# KiCad board pedalboard-hw.kicad_pcb (continued)
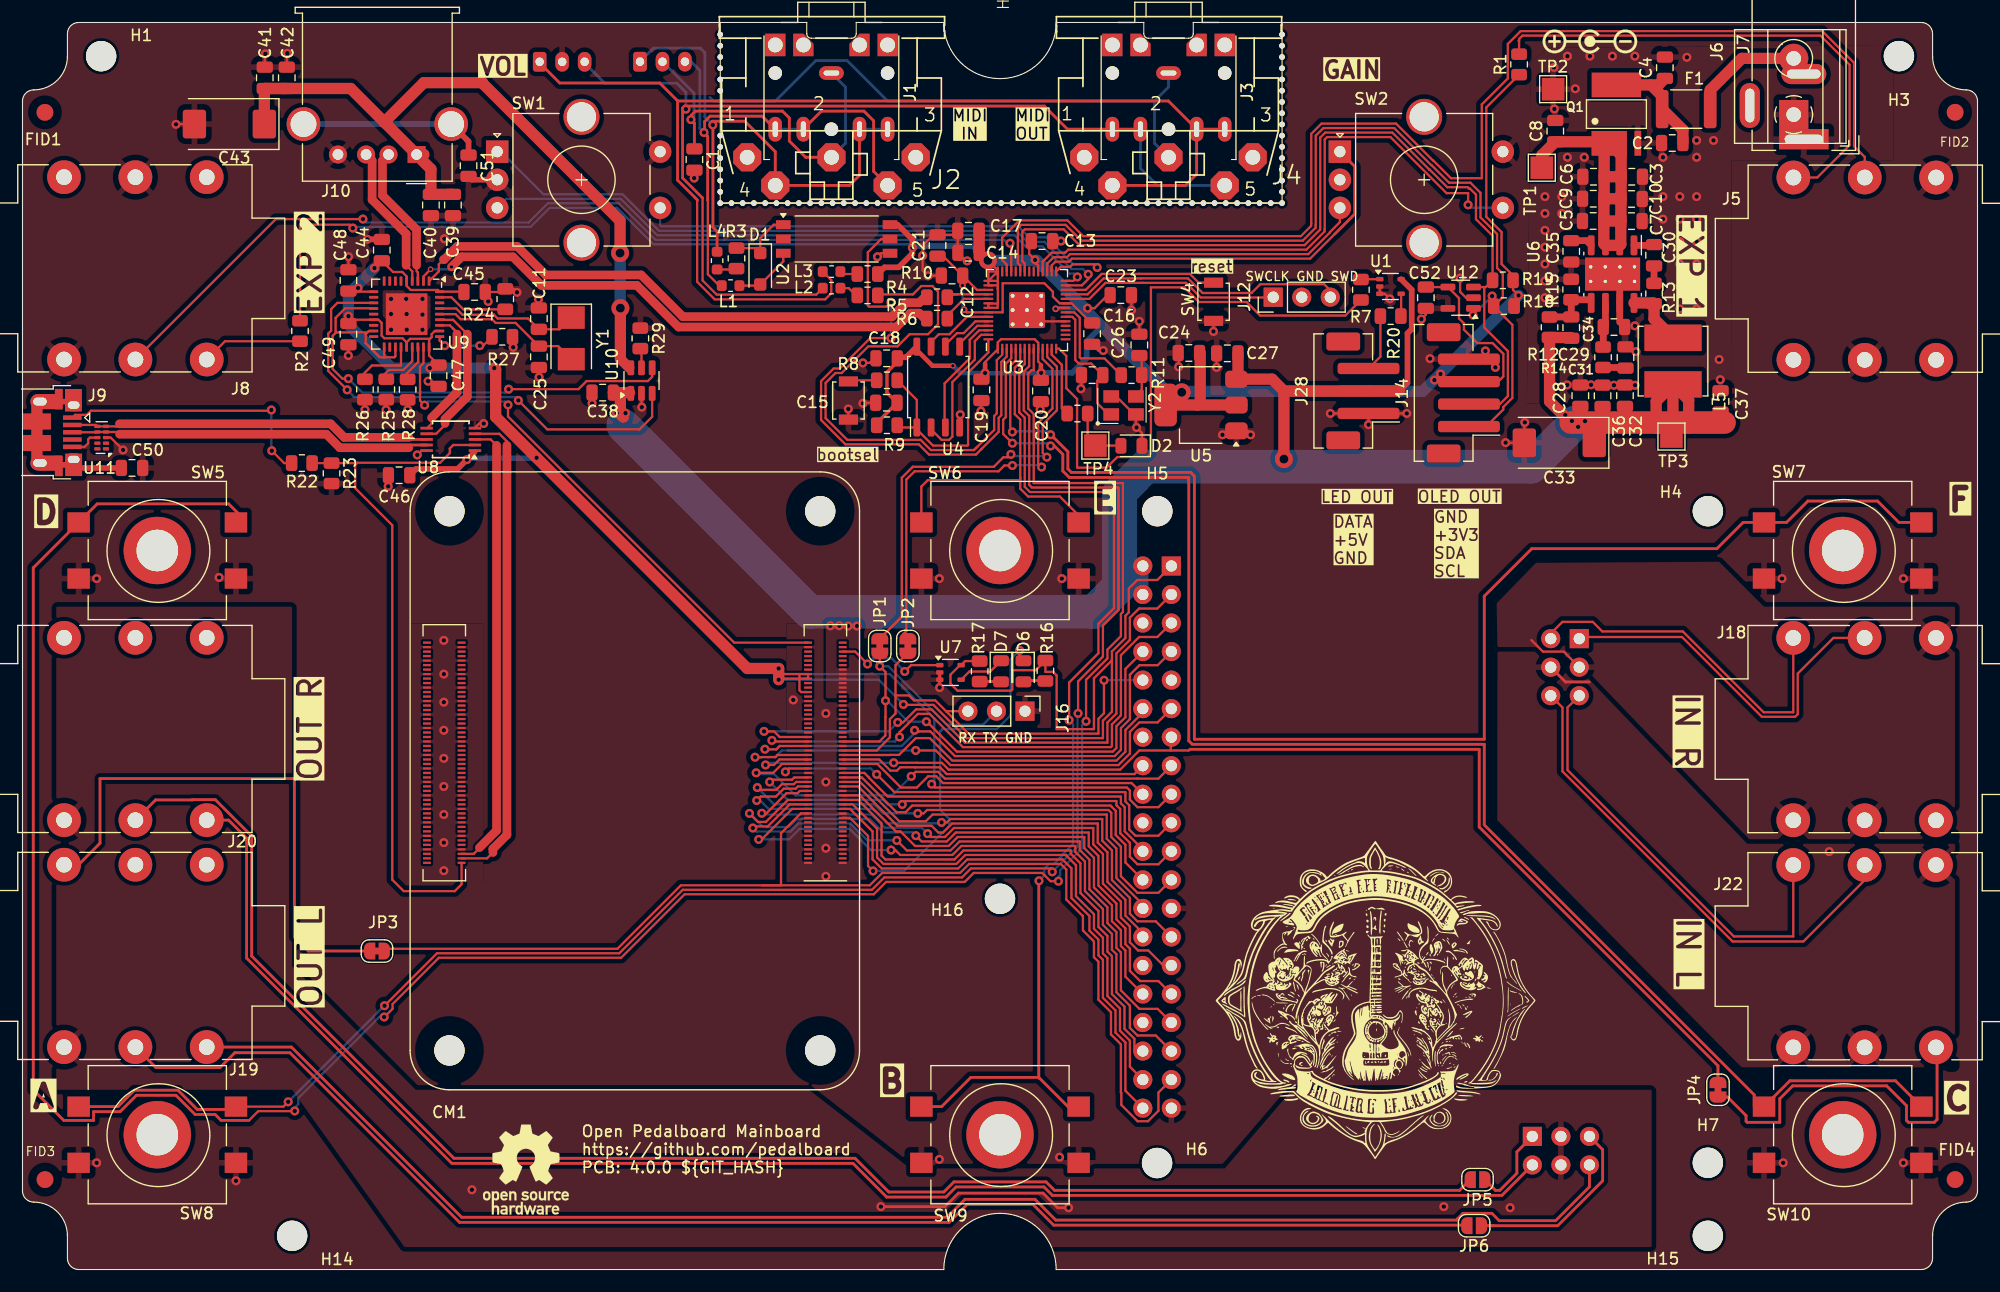
[diagram p0: board, top side]
## Routing (per net, layer and track width the routed paths; a pad name or vN(x,y) marks a point on that pad's centre or on a via; arc(x,y) is an arc through that point) (continued)
/Audio/audio_in_stereo: length 108.2
  Top w0.2: 102.2,46.2 99.4,46.2 97.7,44.5 82.42,44.5 81.82,45.1 79.61,45.1 79.6,45.11 v1(77.54,45.11) ; 102.2,46.2 103.8,46.2 103.9,46.3 ; 102.2,46.2 102.2,47.33 ; v1(66.13,44.91) 66.88,44.91 67.37,45.4 CM1.48
  Top w0.25: JP4.2 150.9,18.14 129.65,39.39 129.65,46.3 103.9,46.3
  Bottom w0.2: v1(66.13,44.91) 66.32,45.1 77.53,45.1 v1(77.54,45.11)
/Audio/audio_out_stereo: length 103.8
  Top w0.2: 65.87,34.2 75.41,34.2 76.51,35.3 83.45,35.3 84.25,36.1 92.4,36.1 92.9,35.6 92.9,32.93 94.35,31.48 94.38,31.48 94.38,30.18 95.36,29.2 95.36,27.8 95.76,27.4 95.76,24.02 96.88,22.9 96.88,20.93 97.76,20.05 97.76,15.75 97.8,15.71 97.8,14.65 99.25,13.2 100.17,13.2 101.1,14.13 101.1,15.75 J27.37 ; 65.87,34.2 58.6,34.2 52.95,28.55 32.4,28.55 ; 65.87,34.2 67.51,34.2 67.51,38.84 69.27,40.6 CM1.24
/Audio/audio_pcm_clk: length 31.1
  Top w0.2: 99.71,49.58 98.16,48.03 98.16,46.09 97.37,45.3 82.75,45.3 80.75,47.3 79.51,47.3 78.02,45.81 77.25,45.81 77.24,45.8 CM1.49
/Audio/audio_pcm_din: length 46.7
  Top w0.2: J27.38 98.56,18.05 98.56,20.38 97.68,21.26 97.68,23.23 96.56,24.35 96.56,27.73 96.16,28.13 96.16,29.53 95.36,30.33 95.36,31.63 93.76,33.23 93.76,35.99 92.9,36.85 92.9,36.9 83.92,36.9 83.12,36.1 76.63,36.1 76.06,36.68 76.06,39.24 73.9,41.4 CM1.27
/Audio/audio_pcm_dout: length 48.6
  Top w0.2: J27.40 98.16,15.91 98.16,20.21 97.28,21.09 97.28,23.07 96.16,24.19 96.16,27.57 95.76,27.97 95.76,29.37 94.96,30.17 94.96,31.47 93.36,33.07 93.36,35.71 92.57,36.5 84.08,36.5 83.28,35.7 76.47,35.7 75.66,36.51 75.66,38.99 73.65,41 CM1.25
/Audio/audio_pcm_fs: length 58.1
  Top w0.2: v1(77.3,37.34) 77.68,37.34 78.12,36.9 82.76,36.9 83.56,37.7 93.7,37.7 93.7,37.18 94.56,36.32 94.56,33.68 96.16,32.08 96.16,30.67 96.96,29.87 96.96,28.47 97.36,28.07 97.36,24.68 98.56,23.48 98.56,21.51 99.23,20.83 100.86,20.83 J27.35 ; CM1.26 68.5,41 65.79,38.29 v1(65.53,38.29)
  Bottom w0.2: v1(77.3,37.34) 75.5,37.34 73.62,39.22 69.15,39.22 68.22,38.29 v1(65.53,38.29)
/Audio/CM4_3V: length 236.2
  Top w0.2: v1(29.87,87.36) 29.28,87.36 C48.1 29.06,87.04 U9.10 ; J27.17 101.1,41.15 99.23,41.15 98.56,41.83 98.56,42.64 98.3,42.9 81.22,42.9 v1(80.92,43.2) ; J27.1 101,61.37 99.23,61.37 98.46,60.6 98.46,58.49 98.16,58.19 98.16,56.21 96.96,55.01 96.96,54.21 ; v1(31.33,89.13) C44.1 32.98,88.79 33.8,88.79 34.19,88.4 U9.5 34.19,87.55 34.55,87.19 36.98,87.19 U9.36 39.26,87.04 C45.1 ; U9.23 34.19,82.53 ; 34.19,82.53 33.83,82.89 32.2,82.89 31.97,83.13 31.97,84.25 31.68,84.54 U9.15 29.33,84.54 v1(29.01,84.86) ; 34.19,82.53 34.51,82.84 36.27,82.84 ; v1(78.4,50.3) 78.44,50.26 81.07,50.26 84.03,47.3 96.16,47.3 96.16,48.85 96.96,49.65 96.96,54.21 ; 36.27,82.84 36.19,82.76 U9.27 36.19,81.35 C47.1 36.76,80.24 v1(36.25,80.24) ; 36.27,82.84 36.41,82.98 36.41,83.25 36.7,83.54 U9.29 ; 69.15,52.6 69.15,51.55 69.3,51.4 CM1.78 ; 69.15,52.6 69.15,53 ; 69.15,52.6 67.75,52.6 ; 69.15,52.6 CM1.84 CM1.86 69.15,53 ; U7.5 83.9,54.16 R17.2 ; 83.45,53.81 82.59,52.95 82.59,52.15 83.22,51.52 87.99,51.52 88.09,51.62 88.09,53.36 88.1,53.35 90.18,53.35 R16.2 91.04,53.2 91.72,53.2 92.04,52.88 92.04,48.1 95.36,48.1 95.36,52.63 96.94,54.21 96.96,54.21 ; 67.45,53 67.3,53.15 v1(67.3,53.5) ; 67.45,53 69.15,53 ; 67.45,53 67.35,53 67.75,52.6 ; 67.75,52.6 67.4,52.6 v1(67.3,52.5)
  Top w0.5: 40.23,72.77 38.73,71.26 35.03,71.26 C46.1
  Top w1: v1(41.99,80.24) 42.11,80.12 42.11,75.9 v1(45.76,72.26) 64.51,53.5 v1(67.3,53.5) v1(67.3,52.5)
  Bottom w0.2: v1(80.92,43.2) 81.15,43.43 81.15,49.05 77.2,53 67.8,53 v1(67.3,53.5) ; v1(78.4,50.3) 76.2,52.5 v1(67.3,52.5)
  Bottom w0.5: v1(45.76,72.26) 45.71,72.21 39.68,72.21 v1(39.55,72.09)
  Bottom w1: v1(41.99,80.24) v1(36.25,80.24) 32.87,80.24 29.01,84.1 v1(29.01,84.86) 29.01,86.82 v1(31.33,89.13)
/Audio/CM4_GPIO4: length 49.4
  Top w0.2: v1(66.07,46.31) 66.09,46.3 67.09,46.3 67.39,46.6 CM1.54 ; v1(79.4,48) 79.5,47.9 79.8,47.9 ; 79.8,47.9 79.7,48 ; 79.8,47.9 80.79,47.9 82.99,45.7 97.2,45.7 97.76,46.26 97.76,48.19 98.56,48.99 98.56,52.94 99.41,53.79 101.04,53.79 J27.7
  Bottom w0.2: v1(79.4,48) 79.4,47.75 78.25,46.6 67.39,46.6 67.09,46.3 66.09,46.3 v1(66.07,46.31)
/Audio/CM4_GPIO5: length 51
  Top w0.2: 101.54,27.06 100.2,28.4 99.29,28.4 98.56,29.13 98.56,30.54 97.76,31.34 97.76,32.75 96.16,34.35 96.16,36.98 95.3,37.84 95.3,39.3 82.9,39.3 82.1,38.5 80.86,38.5 v1(80.56,38.8) ; CM1.34 69.18,42.6 68.98,42.4 68,42.4 66.21,40.61 v1(65.8,40.61)
  Bottom w0.2: v1(65.8,40.61) 65.91,40.5 75.57,40.5 76.75,39.32 80.04,39.32 v1(80.56,38.8)
/Audio/CM4_GPIO6: length 56.9
  Top w0.2: v1(79.51,38.62) 80.03,38.1 82.27,38.1 83.07,38.9 94.9,38.9 94.9,37.67 95.76,36.81 95.76,34.18 97.36,32.58 97.36,31.17 98.16,30.37 98.16,28.96 98.56,28.56 98.56,26.59 99.47,25.67 101.1,25.67 J27.31 ; CM1.30 68.12,41.8 66.16,39.84 65.46,39.84 v1(64.7,40.6)
  Bottom w0.2: v1(79.51,38.62) 79.21,38.92 76.59,38.92 75.4,40.1 68.9,40.1 68.19,39.39 65.91,39.39 v1(64.7,40.6)
/Audio/CM4_GPIO7: length 34.5
  Top w0.2: 99.71,32.49 97.36,34.84 97.36,37.48 96.5,38.34 96.5,40.49 96.49,40.5 81,40.5 80.4,39.9 78.03,39.9 74.53,43.4 CM1.37
/Audio/CM4_GPIO8: length 33.2
  Top w0.2: J27.24 98.16,36.23 98.16,37.81 97.3,38.67 97.3,40.83 96.96,41.17 96.96,41.18 96.84,41.3 79.19,41.3 78.59,40.7 77.8,40.7 74.7,43.8 CM1.39
/Audio/CM4_GPIO9: length 45.3
  Top w0.2: CM1.40 68.69,43.8 68.49,43.6 66.7,43.6 v1(66.5,43.4) ; v1(78.3,41.4) 78.6,41.7 97.36,41.7 97.36,41.33 97.7,40.99 97.7,38.83 98.56,37.97 98.56,36.75 99.23,36.07 101.1,36.07 J27.21
  Bottom w0.2: v1(78.3,41.4) 77,41.4 76.6,41.8 68.1,41.8 v1(66.5,43.4)
/Audio/CM4_GPIO10: length 41.3
  Top w0.2: v1(76.02,44.07) 76.03,44.07 77.6,42.5 98.13,42.5 98.16,42.47 98.16,41.66 98.5,41.32 98.5,39.17 99.05,38.61 101.1,38.61 J27.19 ; CM1.44 68.2,44.6 v1(67.9,44.3)
  Bottom w0.2: v1(67.9,44.3) 68.2,44.6 75.5,44.6 v1(76.02,44.07)
/Audio/CM4_GPIO11: length 49.2
  Top w0.2: CM1.38 68.85,43.4 68.65,43.2 67.59,43.2 67.09,42.7 65.6,42.7 v1(65.4,42.9) ; J27.23 101.1,33.53 99.23,33.53 97.76,35.01 97.76,37.64 96.9,38.5 96.9,40.66 96.66,40.9 80.5,40.9 80.2,40.6 v1(79.68,40.6)
  Bottom w0.2: v1(65.4,42.9) 66.9,41.4 75.8,41.4 76.6,40.6 v1(79.68,40.6)
/Audio/CM4_GPIO12: length 39.8
  Top w0.2: CM1.31 74.53,42.2 77.74,38.99 78.15,38.99 79.44,37.7 82.43,37.7 83.23,38.5 94.5,38.5 94.5,37.51 95.36,36.65 95.36,34.01 96.96,32.41 96.96,31.01 97.76,30.21 97.76,28.8 98.16,28.4 98.16,26.07 J27.32
/Audio/CM4_GPIO13: length 57.1
  Top w0.2: v1(65,39.3) 65.14,39.44 66.33,39.44 68.29,41.4 CM1.28 ; J27.33 101.03,23.2 99.41,23.2 97.76,24.85 97.76,28.23 97.36,28.63 97.36,30.04 96.56,30.84 96.56,32.25 94.96,33.85 94.96,36.48 94.1,37.34 94.1,38.1 83.4,38.1 82.6,37.3 78.71,37.3 v1(77.82,38.19)
  Bottom w0.2: v1(77.82,38.19) 75.21,38.19 73.7,39.7 69.07,39.7 68.35,38.99 65.31,38.99 v1(65,39.3)
/Audio/CM4_GPIO16: length 44.7
  Top w0.2: CM1.29 74.37,41.8 76.46,39.71 76.46,36.84 76.8,36.5 82.95,36.5 83.75,37.3 93.3,37.3 93.3,37.01 94.16,36.15 94.16,33.52 95.76,31.92 95.76,30.5 96.56,29.7 96.56,28.3 96.96,27.9 96.96,24.52 98.08,23.4 98.08,21.43 98.96,20.54 98.96,19.44
/Audio/CM4_GPIO17: length 45.9
  Top w0.2: CM1.50 67.2,45.8 67.01,45.61 66.37,45.61 66.36,45.61 65.78,45.61 65.77,45.6 v1(65.2,45.6) ; J27.11 101.03,48.7 99.4,48.7 98.56,47.86 98.56,45.93 97.53,44.9 82.59,44.9 81.29,46.2 v1(79.5,46.2)
  Bottom w0.2: v1(79.5,46.2) 67.58,46.2 66.99,45.61 65.78,45.61 65.77,45.6 v1(65.2,45.6)
/Audio/CM4_GPIO22: length 44.3
  Top w0.2: CM1.46 67.6,45 66.81,44.21 v1(65.3,44.21) ; v1(79.1,43.9) 79.5,44.3 81.49,44.3 82.09,43.7 99.23,43.7 99.23,43.69 101.1,43.69 J27.15
  Bottom w0.2: v1(79.1,43.9) 77.4,42.2 68.8,42.2 66.9,44.1 65.41,44.1 v1(65.3,44.21)
/Audio/CM4_GPIO23: length 27.8
  Top w0.2: J27.16 98.97,44.1 82.26,44.1 81.66,44.7 79.44,44.7 79.44,44.71 78.13,44.71 77.83,44.41 77.25,44.41 76.25,45.4 CM1.47
/Audio/CM4_GPIO24: length 28.7
  Top w0.2: J27.18 98.71,43.3 81.93,43.3 81.33,43.9 80.6,43.9 79.6,42.9 78.19,42.9 76.09,45 CM1.45
/Audio/CM4_GPIO25: length 31.2
  Top w0.2: 99.71,37.39 98.1,39 98.1,41.16 97.76,41.5 97.76,42.1 77.01,42.1 75.32,43.78 75.32,43.81 74.93,44.2 CM1.41
/Audio/CM4_ID_SC: length 36.1
  Top w0.2: CM1.35 74.37,43 77.87,39.5 80.91,39.5 81.51,38.9 81.93,38.9 82.73,39.7 95.7,39.7 95.7,38.01 96.56,37.15 96.56,34.51 98.16,32.91 98.16,31.5 99.71,29.95
/Audio/CM4_ID_SD: length 50.8
  Top w0.2: v1(65.35,41.75) 65.7,42.1 67.06,42.1 67.76,42.8 68.82,42.8 69.02,43 CM1.36 ; J27.27 100.86,30.99 99.23,30.99 98.56,31.67 98.56,33.08 96.96,34.68 96.96,37.31 96.1,38.17 96.1,40.1 82.57,40.1 82.27,39.8 v1(81.8,39.8)
  Bottom w0.2: v1(81.8,39.8) 81.72,39.72 76.92,39.72 75.63,41 66.4,41 65.65,41.75 v1(65.35,41.75)
/Audio/CM4_LED_ACT: length 37.5
  Top w0.2: v1(88.75,55.11) 88.75,54.53 D6.1 ; CM1.21 73.65,40.2 75.26,38.59 75.26,35.92 v1(75.7,35.48)
  Bottom w0.2: v1(88.75,55.11) 87.93,54.29 87.93,49.32 86.71,48.1 81.87,48.1 81.67,47.9 81.67,40.91 82.5,40.09 82.5,39.51 78.47,35.48 v1(75.7,35.48)
/Audio/CM4_LED_PWR: length 10
  Top w0.2: v1(75.21,53.9) 74.11,55 CM1.95 ; U7.1 79.09,53.8 v1(78.52,53.23)
  Bottom w0.2: v1(78.52,53.23) 77.35,54.4 75.71,54.4 v1(75.21,53.9)
/Audio/conf_i2c_scl: length 50.2
  Top w0.2: CM1.56 66.8,47 v1(66.7,47.1) ; J27.5 101.01,56.3 99.38,56.3 97.76,54.68 97.76,49.32 96.96,48.52 96.96,46.59 96.87,46.5 83.7,46.5 80.74,49.46 79.69,49.46 78.06,47.82 v1(78.06,47.4)
  Bottom w0.2: v1(66.7,47.1) 66.8,47 77.66,47 v1(78.06,47.4)
/Audio/conf_i2c_sda: length 53.2
  Top w0.2: v1(77.9,48.7) 78.37,48.7 79.53,49.86 80.91,49.86 83.86,46.9 96.56,46.9 96.56,48.69 97.36,49.49 97.36,54.85 98.56,56.05 98.56,58.02 99.37,58.83 101,58.83 J27.3 ; v1(66,47.9) 66.89,47.9 67.39,47.4 CM1.58
  Bottom w0.2: v1(66,47.9) 77.1,47.9 v1(77.9,48.7)
/Audio/in_L+: length 39.6
  Top w0.2: J27.45 137.51,50.03 137.51,44.46 152.32,29.65 157.6,29.65 J22.T
/Audio/in_L-: length 42.6
  Top w0.2: 163.95,34.65 158.5,29.2 152.2,29.2 137.06,44.34 137.06,50.03 J27.46
/Audio/in_R+: length 32
  Top w0.2: J18.T 157.6,49.6 154.97,49.6 147.77,56.8 140.6,56.8 139.75,57.65 137.06,57.65 136.01,56.61
/Audio/in_R-: length 33.3
  Top w0.2: 163.92,56.22 161.17,56.22 158,53.05 158,49.43 157.77,49.2 154.8,49.2 147.7,56.3 138.56,56.3
/Audio/INT_MIDI_RX: length 42.7
  Top w0.2: 82.25,49.65 81.24,50.66 79.34,50.66 78.9,51.1 77.7,51.1 ; 82.25,49.65 82.3,49.7 J16.3 ; 82.25,49.65 84.19,47.7 95.76,47.7 95.76,49.02 96.25,49.51 96.25,52.44 v1(96.26,52.45) ; 77.7,51.1 77.7,49.49 77.2,48.99 77.2,47.37 76.03,46.2 CM1.51 ; 77.7,51.1 77.7,53.8 78.8,54.9
  Bottom w0.2: v1(96.26,52.45) 96.27,52.46 J27.10
/Audio/INT_MIDI_TX: length 56.8
  Top w0.2: J27.8 98.16,53.45 98.16,49.16 97.36,48.36 97.36,46.42 97.04,46.1 83.16,46.1 80.5,48.76 v1(80.45,48.76) ; CM1.55 76.26,47 76.8,47.54 76.8,49.16 76.81,49.17 v1(76.81,50.63) 76.81,53.19 v1(76.3,53.7) 76.3,54.9
  Bottom w0.2: v1(76.81,50.63) 76.96,50.63 78.83,48.76 v1(80.45,48.76) ; J16.2 85.48,48.5 82.26,48.5 77.06,53.7 v1(76.3,53.7)
/Audio/nEXTRST: length 49.2
  Top w0.2: v1(35.79,76.94) 35.38,77.34 35.38,80.37 35.69,80.68 U9.26 ; CM1.100 63.34,55.8 43.21,75.93 v1(43.21,76.96)
  Bottom w0.2: v1(35.79,76.94) 36.11,77.26 42.91,77.26 v1(43.21,76.96)
/Connectivity/nOCS1: length 48.5
  Top w0.2: U9.21 33.19,81.29 33.1,81.2 32.2,81.2 ; 32.2,81.2 32.19,81.21 U9.19 ; 32.2,81.2 31.8,81.2 30.54,82.46 30.54,83.25 30.7,83.41 ; U9.13 31.23,85.56 28.72,85.56 27.87,84.71 27.87,83.45 27.91,83.41 ; v1(29,79.3) 28.47,79.3 27.61,80.16 27.61,83.11 27.91,83.41 ; 27.91,83.41 30.7,83.41 ; 30.7,83.41 30.83,83.54 U9.17 ; U10.4 56.04,79.46 55.66,79.08 50.2,79.08 49.48,78.36 v1(43.26,78.36)
  Bottom w0.2: v1(43.26,78.36) 42.96,78.06 30.24,78.06 v1(29,79.3)
/Connectivity/USB_CM_N: length 43.3
  Top w0.2: 43.12,73.36 43.12,73.71 42.44,74.39 40.23,74.39 ; 41.87,37.12 41.35,36.6 CM1.103
  Top w0.77: 43.12,73.36 43.12,38.69 41.87,37.45 41.87,37.12
/Connectivity/USB_CM_P: length 40.4
  Top w0.2: 40.49,37.55 40.49,37.33 40.16,37 CM1.105 ; 42.19,73.36 41.66,73.89 40.23,73.89
  Top w0.77: 40.67,37.55 42.19,39.08 42.19,73.36
/Connectivity/USB_D_N: length 32.6
  Top w0.2: 8.32,75.05 U11.5 6.66,75.05 6.54,75.17 J9.2 ; 8.32,75.05 8.41,75.05 8.64,75.27 ; 8.32,75.05 8.59,75.32
  Top w0.25: 34.39,74.07 34.57,73.89 U8.8
  Top w0.77: 34.39,74.07 28.63,74.07 27.43,75.27 8.64,75.27
/Connectivity/USB_D_P: length 32.1
  Top w0.2: J9.3 6.64,74.53 6.66,74.55 U11.4 8.45,74.55 8.65,74.35
  Top w0.25: 36.01,73.39 34.57,73.39 34.49,73.31
  Top w0.77: 8.65,74.35 27.05,74.35 28.25,73.15 34.39,73.15
/Connectivity/USB_OUT_N: length 12.7
  Top w0.2: 35.12,88.82 35.19,88.75 U9.3 ; 35.07,88.87 35.07,89.39
  Top w0.77: 35.07,89.39 35.07,92.57 32.04,95.6 32.04,98.71 J10.2
/Connectivity/USB_OUT_P: length 13
  Top w0.2: 34.15,89.39 34.69,88.85 U9.4
  Top w0.77: 34.15,89.39 34.15,92.19 31.12,95.22 31.12,98.71 J10.3
/Connectivity/USB_RP_N: length 49.3
  Top w0.2: U9.1 37.05,88.84 37.05,89.48 37.47,89.9
  Top w0.77: R10.1 80.3,86.54 79.81,86.05 78.64,86.05 77.41,84.82 58.77,84.82 55.06,88.53 46.57,88.53 44.03,91.07 38.69,91.07 37.53,89.9 37.47,89.9
/Connectivity/USB_RP_P: length 49.2
  Top w0.2: U9.2 35.69,88.39 36,88.7 36,88.71 v2(36.32,89.03)
  Top w0.77: R6.1 80.3,84.64 79.81,85.13 79.02,85.13 77.79,83.89 58.39,83.89 54.68,87.6 46.19,87.6 43.65,90.14 39.08,90.14 v2(38.18,89.24)
  Bottom w0.2: v2(38.18,89.24) 37.97,89.03 v2(36.32,89.03)
/Connectivity/USB_UP_N: length 11.6
  Top w0.2: 38.3,83.78 38.44,83.64 ; 38.3,83.78 38.04,84.04 U9.30 ; 38.3,83.78 38.67,83.41 38.67,83.26 ; 36.01,74.89 36.41,75.29 36.41,75.82
  Top w0.77: 38.67,83.26 38.67,78.08 36.41,75.82
/Connectivity/USB_UP_P: length 13.8
  Top w0.2: 36.01,74.39 36.82,74.39 37.61,75.18 37.61,75.32 ; 39.59,83.26 38.32,84.53 37.55,84.53 37.54,84.54 U9.31
  Top w0.77: 37.61,75.32 37.61,75.71 39.59,77.7 39.59,83.26
/LEDs/RGB_DATA: length 53.7
  Top w0.2: U3.14 92.26,81.96 92.9,81.32 92.9,78.45 93.86,77.49 93.86,71.38 96.49,71.38 97.44,72.32 100.11,72.32 100.43,72.64 100.43,87.42 103.39,87.42 104.7,86.12 108.94,86.12 110.15,84.91 117.74,84.91 R7.1
/MIDI/A_EXP1: length 114
  Top w0.2: U3.40 87.6,89.45 87.19,89.86 87.19,91.85 88.73,93.39 93,93.39 94.41,91.98 113.78,91.98 114.69,92.89 114.69,93.11 114.7,93.12 114.7,101.09 115.61,102 122.25,102 125.54,98.71 125.56,98.71 127.13,97.14 129.88,97.14 129.88,103.7 132.2,106.02 132.2,109.09 133.34,110.23 160.19,110.23 163.01,107.41 163.01,99.98 163.97,99.03 J5.R
/MIDI/A_EXP2: length 87.9
  Top w0.2: J8.R 22.55,93.5 v1(30.3,93.5) ; 88,91.35 U3.39
  Bottom w0.2: v1(30.3,93.5) 30.6,93.2 45.06,93.2 46.76,94.9 53.08,94.9 56.33,91.65 87.36,91.65 87.66,91.35 88,91.35
  vias: v1(87.89,91.35)
/MIDI/EXT_MIDI_RX: length 49.5
  Top w0.2: v1(77.29,82.91) 75.45,82.91 72.74,80.2 72.19,80.2 71.08,79.08 71.08,75.62 73.24,73.45 79.77,73.45 80.68,72.54 84.86,72.54 85.36,73.04 85.36,73.05 86.88,74.56 86.88,75.81 87.11,76.04 87.11,80.78 87.6,81.26 U3.3 ; v1(77.29,86.09) 76.9,85.71 75.34,85.71 75.23,85.81 75.23,90.53 76.43,91.73 U2.5
  Bottom w0.2: v1(77.29,82.91) 77.29,86.09 v1(77.29,86.09)
/MIDI/EXT_MIDI_TX: length 49
  Top w0.18: 86.72,80.95 87.2,81.43
  Top w0.2: 86.72,80.95 86.72,76.21 86.48,75.97 86.48,74.73 84.96,73.21 84.96,73.21 84.69,72.94 ; U3.2 87.2,81.43 ; R5.2 76.21,86.79 79.24,86.79 79.99,87.54 80.98,87.54 81.48,87.04 81.48,84.14 80.59,83.25 78.96,83.25 77.88,82.17 75.28,82.17 72.91,79.8 72.36,79.8 71.48,78.92 71.48,75.78 73.41,73.85 79.94,73.85 80.85,72.94 84.67,72.94 84.96,73.23
/MIDI/I2C_SCL: length 85.3
  Top w0.2: v1(129.1,84.95) 129.14,84.99 U12.1 ; U3.37 88.8,89.37 88.59,89.58 88.59,92.68 88.89,92.99 92.84,92.99 94.24,91.58 113.94,91.58 115.09,92.73 115.09,92.94 115.1,92.95 115.1,100.92 115.78,101.6 122.08,101.6 125.37,98.31 125.4,98.31 126.97,96.74 128.87,96.74 129.76,95.84 129.76,93.65 131.24,92.18 131.24,89.15 131.65,88.73 131.67,88.73 131.75,88.65 131.75,86.56 R18.2 132.6,84.09 132.6,77.58 131.79,76.77 131.79,76.55 130.27,75.03 J14.1
  Bottom w0.2: v1(129.1,84.95) v1(130.8,86.65)
/MIDI/I2C_SDA: length 80.4
  Top w0.2: 130.1,87.45 130.24,87.45 R19.2 130.84,92.01 129.36,93.49 129.36,95.68 128.83,96.21 128.74,96.21 128.61,96.34 126.8,96.34 125.23,97.91 125.21,97.91 121.92,101.2 115.94,101.2 115.5,100.76 115.5,92.79 115.49,92.78 115.49,92.56 114.11,91.18 94.08,91.18 92.67,92.59 89.2,92.59 88.99,92.38 88.99,89.75 89.2,89.54 U3.36 ; 130.1,87.45 U12.3 ; 130.1,87.45 130.1,83.85 132.2,81.75 132.2,77.74 131.49,77.03 J14.2
/MIDI/QSPI_SCLK: length 4.7
  Top w0.2: 82.14,82.32 83.17,83.35 83.77,83.35 84.82,84.4 U3.52
/MIDI/QSPI_SD0: length 3.2
  Top w0.2: 83.41,82.42 84.98,84 U3.53
/MIDI/QSPI_SD1: length 13.2
  Top w0.2: 80.86,74.78 81.8,73.85 82.47,73.85 82.76,74.14 82.76,78.99 84.76,80.99 84.76,82.64 85.32,83.2 U3.55
/MIDI/QSPI_SD2: length 10.4
  Top w0.2: 82.07,75.31 82.07,78.87 84.31,81.1 84.31,82.76 85.15,83.6 U3.54
/MIDI/QSPI_SD3: length 6.3
  Top w0.2: 80.86,82.32 80.86,82.56 81.55,83.25 82.5,83.25 84.05,84.8 U3.51
/MIDI/QSPI_SS: length 21.8
  Top w0.2: R8.2 79.59,77.41 U4.1 78.05,74.95 ; 79.59,74.78 81.04,73.34 84.11,73.34 84.16,73.39 84.16,79.83 85.96,81.63 U3.56
/MIDI/ROT_GAIN_A: length 35.5
  Top w0.2: 116.79,92.16 114.6,89.98 93.4,89.98 93.13,89.71 91.94,89.71 91.6,89.37 U3.30
  Top w0.25: 116.79,92.16 118.57,93.95 118.57,98.17 SW2.A
/MIDI/ROT_GAIN_B: length 29.6
  Top w0.2: SW2.B 117.25,93.23 116.36,92.34 116.36,92.31 114.44,90.38 93.23,90.38 92.96,90.11 91.77,90.11 91.2,89.54 U3.31
/MIDI/ROT_VOL_A: length 59.8
  Top w0.2: v1(94.85,88.59) 94.85,88.17 94.29,87.6 U3.27
  Bottom w0.2: SW1.A 42.58,99.5 46.38,95.7 53.41,95.7 56.66,92.45 88.46,92.45 89.43,91.47 90.95,91.47 93.37,89.05 94.39,89.05 v1(94.85,88.59)
/MIDI/ROT_VOL_B: length 56
  Top w0.2: v1(93.88,88.35) 93.53,88 U3.28
  Bottom w0.2: SW1.B 43.05,95.3 53.25,95.3 56.5,92.05 88.29,92.05 89.27,91.07 90.78,91.07 93.2,88.65 93.58,88.65 v1(93.88,88.35)
/MIDI/SW_A: length 154
  Top w0.2: v1(93.95,49.5) 93.95,49.5 93.95,52.35 96.16,54.56 96.16,57.32 97.54,58.7 97.54,69.6 89.83,69.6 89.6,69.84 89.6,75.98 89.11,76.47 89.11,79.92 89.6,80.41 U3.8 ; v1(32.22,23.48) 36.89,28.15 53.12,28.15 58.77,33.8 75.6,33.8 76.7,34.9 83.61,34.9 84.41,35.7 91.57,35.7 91.57,35.48 v1(91.65,35.4) ; v1(23.65,14.93) 23.22,14.5 SW8.1
  Top w0.25: SW8.1 8.5,14.5 9.96,15.96 13.84,15.96 15.55,14.25 18.75,14.25
  Bottom w0.2: v1(23.65,14.93) 32.15,23.43 32.17,23.43 v1(32.22,23.48) ; v1(93.95,49.5) 93.9,49.45 93.9,37.65 v1(91.65,35.4)
/MIDI/SW_B: length 92.5
  Top w0.2: v1(93.15,48.9) 93.15,52.25 95.76,54.86 95.76,57.48 97.14,58.87 97.14,69.2 89.67,69.2 89.2,69.67 89.2,75.82 88.72,76.3 88.72,80.11 89.2,80.59 U3.7
  Top w0.25: 90.45,17.1 93.05,14.5 SW9.1 ; SW9.1 81.8,14.5 84.4,17.1 90.4,17.1 90.45,17.05 90.45,34.58 v1(90.47,34.6)
  Bottom w0.2: v1(90.47,34.6) 90.96,35.1 90.95,35.11 90.95,35.69 91.36,36.1 91.78,36.1 92.55,36.87 92.55,36.92 93.5,37.87 93.5,48.55 v1(93.15,48.9)
/MIDI/SW_C: length 134.8
  Top w0.2: v1(88.1,73.55) 87.28,74.37 87.28,75.64 87.52,75.87 87.52,80.61 88,81.1 U3.4
  Top w0.25: SW10.1 166.7,16.8 157.3,16.8 SW10.1 ; 154.12,14.5 154.12,15.55 130.1,39.57 130.1,46.75 104.11,46.75 103.8,47.06 103.8,70.47 103.77,70.5 93.17,70.5 92.59,71.08 92.59,72.56 91.85,73.31 v1(91.5,73.31)
  Bottom w0.2: v1(91.5,73.31) 91.26,73.55 v1(88.1,73.55)
/MIDI/SW_D: length 230.8
  Top w0.2: v1(32.19,22.48) 32.21,22.48 32.94,23.21 32.94,23.63 37.06,27.75 53.28,27.75 58.93,33.4 75.77,33.4 76.87,34.5 83.86,34.5 84.66,35.3 90.76,35.3 91.5,34.57 v1(92.2,34.57) ; U3.9 90,80.05 89.81,80.05 89.52,79.76 89.52,76.63 90,76.15 90,70 97.94,70 97.94,58.53 97.76,58.35 97.76,56.38 96.56,55.18 96.56,54.39 94.66,52.49 v1(94.66,48.8) ; v1(24.23,14.12) 24.21,14.1 20.98,14.1 20.16,13.28
  Top w0.25: 19.4,67.1 18.35,68.15 6.65,68.15 SW5.1 0.96,62.46 0.96,15.99 3.68,13.28 6.32,13.28 6.32,14.05 8.69,14.05 10.15,15.51 13.65,15.51 15.36,13.8 17.15,13.8 17.67,13.28 20.16,13.28
  Bottom w0.2: v1(92.2,34.57) 92.2,34.96 92.35,35.11 92.35,35.53 94.3,37.48 94.3,48.44 v1(94.66,48.8) ; v1(24.23,14.12) 24.23,14.4 24.55,14.72 24.55,15.26 31.78,22.49 32.18,22.49 v1(32.19,22.48)
/MIDI/SW_E: length 32.1
  Top w0.2: 88.8,70.49 88.8,70.26 80.57,70.26 80,69.69 SW6.1 ; 88.8,70.49 88.8,69.51 89.5,68.8 92.33,68.8 94,67.13 SW6.1 ; 88.8,70.49 88.8,75.65 88.31,76.14 88.31,80.27 88.8,80.76 U3.6
/MIDI/SW_F: length 131.6
  Top w0.2: U3.5 88.4,80.93 87.92,80.45 87.92,74.74 v1(88.1,74.55)
  Top w0.25: SW7.1 167,66.5 165.1,68.4 158.9,68.4 157,66.5 SW7.1 153.14,66.5 150.8,64.16 134.33,64.16 130.1,59.94 130.1,47.2 104.3,47.2 104.3,70.61 103.96,70.95 93.36,70.95 93.04,71.26 93.04,72.79 91.8,74.03 91.78,74.03 v1(91.5,74.31)
  Bottom w0.2: v1(91.5,74.31) 91.21,74.6 88.15,74.6 v1(88.1,74.55)
/MIDI/SW_GAIN: length 54.4
  Top w0.2: U3.32 90.8,89.7 91.61,90.51 92.8,90.51 93.07,90.78 114.27,90.78 115.89,92.4 115.89,92.61 115.9,92.62 115.9,100.59 116.11,100.8 121.75,100.8 126.74,95.81 128.66,95.81 v1(128.66,94.77)
  Bottom w0.2: v1(128.66,94.77) 128.92,94.52 131.73,94.52 SW2.S1
/MIDI/SW_VOL: length 46
  Top w0.2: U3.29 92.41,89.25 93.24,89.25 93.46,89.47 95.37,89.47 v1(95.65,89.19)
  Bottom w0.2: v1(95.65,89.19) 95.39,89.45 93.54,89.45 91.11,91.87 89.6,91.87 88.62,92.85 56.84,92.85 56.75,92.94 SW1.S1
/MIDI/SWCLK: length 19.6
  Top w0.2: U3.24 94.96,86.4 96.38,87.82 99.71,87.82 99.72,87.83 103.56,87.83 104.86,86.52 111.28,86.52 J12.1
/MIDI/SWD: length 25.8
  Top w0.2: J12.3 116.4,87.16 115.85,87.7 110.16,87.7 109.39,86.92 105.03,86.92 103.72,88.22 99.55,88.22 99.54,88.22 96.21,88.22 94.79,86.8 U3.25
/MIDI/XIN: length 11.9
  Top w0.2: Y2.1 96.65,76.11 95.65,77.11 95.65,79.11 C22.1 95.12,80.64 94.01,80.64 93.7,80.95 93.7,84.53 93.43,84.8 U3.20
/MIDI/XOUT: length 9.3
  Top w0.2: R11.1 96.3,81.1 94.2,81.1 94.1,81.2 94.1,84.7 93.6,85.2 U3.21
/MIDI/~{USB_BOOT}: length 2.6
  Top w0.2: SW3.2 73.61,79.15 R8.1
/Power Supply/fused: length 9.7
  Top w1: Q1.5-8 144.94,105.44 ; 144.94,105.44 145.93,104.45 ; 144.94,105.44 145.59,105.44 C4.1 ; F1.2 147.78,101.44 C2.1
/Power Supply/polarity_checked: length 32.4
  Top w1: 141.22,100.24 140.77,99.78 C6.1 ; 141.22,100.24 141.09,100.38 C8.1 135.22,99.18 TP1.1 ; 141.22,100.24 142.28,99.19 C3.1 ; C6.1 C3.1 ; C6.1 140.77,95.33 C9.1 ; C9.1 140.75,93.34 C5.1 ; C9.1 142.24,95.31 C10.1 ; C3.1 142.28,95.31 C10.1 ; C7.1 142.25,91.26 U6.2 140.88,91.16 140.74,91.31 C5.1 ; C7.1 142.24,93.33 C5.1 ; C7.1 142.26,93.33 C10.1
/Power Supply/switch: length 5.5
  Top w1: L5.1 145.21,84.62 R13.1 145.13,86.04 U6.8
/Power Supply/unfused: length 10.3
  Top w1: J6.2 153.02,107.8 150.21,104.99 F1.1
Net-(C26-Pad1): length 3.9
  Top w0.2: Y2.3 99.1,77.81 99.61,78.32 R11.2 99.61,81.14 C26.1
Net-(C30-Pad1): length 1.5
  Top w0.6: C30.1 R13.2
Net-(C31-Pad1): length 2
  Top w0.2: 142.61,80.29 C31.1
  Top w0.6: R14.2 142.61,80.29
Net-(CM1B-USB_OTG_ID): length 62.7
  Top w0.2: 29.8,71.81 29.61,71.63 29.61,69.55 32.91,66.25 32.91,34.7 33.93,33.68 38.47,33.68 39.08,34.29 CM1.101 ; 29.8,71.81 37.17,71.81 38.03,72.67 38.03,73.08 38.34,73.39 40.23,73.39 ; 29.8,71.81 29.77,71.78 R23.1 25.78,71.78 R22.1
Net-(D1-A): length 5.5
  Top w0.2: L1.2 65.56,87.58 D1.2 67.71,89.73 U2.3
Net-(D1-K): length 6.2
  Top w0.2: U2.1 66.86,93 65.66,91.8 D1.1 65.22,90.92 R3.2
Net-(D2-A): length 5.2
  Top w0.2: 95.5,73.6 94.8,74.3 R21.2 ; D2.2 97.74,73.34 TP4.1
Net-(D6-A): length 2
  Top w0.25: 89.39,52.43 91.43,52.43
Net-(D7-A): length 1.9
  Top w0.25: 85.29,52.33 87.17,52.33
Net-(D7-K): length 4.2
  Top w0.2: U7.4 84.27,53.23 86.13,53.23 D7.1
Net-(J5-PadT): length 45.3
  Top w0.2: J5.T 159.74,97.2 162.61,100.07 162.61,107.24 160.02,109.83 133.5,109.83 133.2,109.53 133.2,109.39 133.17,109.36 133.2,109.32 R1.2
Net-(J8-PadT): length 9
  Top w0.2: J8.T 18.03,82.63 R2.2
Net-(J9-Shield): length 15.5
  Top w0.2: 4.43,72.22 J9.6 ; 1.29,76.98 J9.6 ; 1.29,72.06 J9.6
  Top w0.5: 2.48,77.25 4.25,77.25 J9.6 ; C50.1 4.83,71.35 J9.6 1.73,71.62 J9.6
  Top w1: 1.29,76.98 J9.6 J9.6 1.29,72.06
Net-(J9-VBUS): length 23.9
  Top w0.2: R22.2 23.29,71.78 v1(22.19,72.88) ; v1(22.15,76.51) 22.08,76.44 6.09,76.44 5.73,76.08 4.68,76.08 J9.1
  Bottom w0.2: v1(22.15,76.51) 22.15,72.92 v1(22.19,72.88)
Net-(J10-Shield): length 16.5
  Top w0.5: J10.5 39.7,100.41 C51.1
  Bottom w0.5: J10.5 J10.5
Net-(J25-Pin_1): length 49.3
  Top w0.25: J1.RN 74.49,97.39 73.6,96.5 J2.4 67,99.5 64.29,102.21 61.38,102.21 61.38,101.96 ; 61.38,101.96 61.38,101.94 v1(61.44,101.88) ; 61.38,101.96 61.45,101.89 61.45,92.78 61.82,92.4 L4.1
  Bottom w0.25: J1.RN J1.R ; v1(61.44,101.88) 60.73,102.59 60.73,108.31 60.33,108.71 56.16,108.71 J25.1
Net-(J25-Pin_2): length 33.6
  Top w0.25: C1.1 59.8,102.05 v1(59.49,102.35) 59.56,102.42 59.56,102.77 59.89,103.11 67.64,103.11 68.25,102.5 68.25,100.45 69.7,99 J2.2
  Bottom w0.25: J1.S 73.25,105.24 73.25,100.25 J2.2 ; v1(59.49,102.35) 59.77,102.63 59.77,104.7 J25.2
Net-(J25-Pin_3): length 45.3
  Top w0.2: 62.01,87.58 61,88.59 61,95.17
  Top w0.25: 62.01,87.58 L1.1 ; J1.T 65.83,102.66 61.19,102.66 60.71,102.18 60.71,101.58 ; v1(60.66,101.21) 60.98,100.88 60.98,95.19 61,95.17 ; J2.5 75.75,97.75 75.75,102.25 74.89,103.11 71.1,103.11 J1.TN
  Bottom w0.25: J1.T J1.TN ; v1(60.66,101.21) 60.28,101.58 60.28,106.73 59.5,107.51 J25.3
Net-(J26-Pin_1): length 107.5
  Top w0.2: L3.1 71.98,88.06 71.98,86.9 71.44,86.35 61.61,86.35 60.05,87.92 60.05,95.22 59.84,95.43
  Top w0.25: J4.4 103.5,96.5 104.5,97.5 J3.RN ; 60.08,95.19 58.3,96.97 58.3,103.99 58.32,104.01 ; 58.32,104.01 56.72,105.61 47.81,105.61 46.03,107.39 ; 58.32,104.01 101.99,104.01 J3.RN ; J3.RN J3.R
Net-(J26-Pin_3): length 92.7
  Top w0.2: 60.53,95.37 60.53,88.03 61.78,86.78 70.65,86.78 L2.1
  Top w0.25: 58.94,103.56 58.75,103.37 58.75,97.15 60.53,95.37 ; 58.94,103.56 90.94,103.56 93,101.5 J3.T J3.TN ; 58.94,103.56 58.94,103.39 v1(59.04,103.29)
  Bottom w0.25: v1(59.04,103.29) 59.04,104.79 58.24,105.59 51.83,105.59 50.03,107.39 ; J3.TN 99.5,98 101,96.5 J4.5
Net-(J27-out_L): length 134.5
  Top w0.25: J19.T 23.94,19.8 39.09,4.65 82.29,4.65 83.89,6.25 90.11,6.25 91.96,4.4 127.71,4.4 127.71,4.51 128.2,5 130.78,5 131.43,4.35 136.45,4.35 139.46,7.36 J27.52
Net-(J27-out_R): length 139.9
  Top w0.25: J27.48 131.67,6.6 91.66,6.6 90.91,7.35 83.09,7.35 82.19,6.45 76.91,6.45 73.91,9.45 38.21,9.45 19.95,27.71 19.95,38.39 18.34,40 16.44,40
Net-(J28-Pin_3): length 5.1
  Top w0.2: J28.3 120.86,81.26 R20.2
Net-(JP1-B): length 39.7
  Top w0.2: JP1.2 78.26,58.11 78.26,70.48 79.23,71.45 86.45,71.45 87.3,72.3 87.71,72.3 v1(87.97,72.56) ; U3.12 91.2,81.23 92.06,80.37 92.06,76.48 90.8,75.22 90.8,72.68 v1(91.17,72.31)
  Bottom w0.2: v1(87.97,72.56) 88.13,72.4 91.08,72.4 v1(91.17,72.31)
Net-(JP2-B): length 38.6
  Top w0.2: v1(90.7,71.43) 90.4,71.73 90.4,75.38 91.67,76.65 91.67,80.18 90.8,81.04 U3.11 ; v1(88.1,71.57) 87.39,71.57 86.87,71.05 79.4,71.05 78.66,70.31 78.66,56.83 78.39,56.56 JP2.2
  Bottom w0.2: v1(88.1,71.57) 88.13,71.6 90.53,71.6 v1(90.7,71.43)
Net-(JP3-A): length 48.3
  Top w0.25: 3.7,36.2 5.15,36.2 6.9,37.95 6.9,43.7 24.2,43.7 24.2,29.6 25.45,28.35 JP3.1
Net-(JP4-A): length 31.8
  Top w0.25: 170.4,19.67 170.4,13.35 170.15,13.1 167.85,13.1 167.68,13.28 167.68,14.59 165.91,16.35 157.55,16.35 156.4,15.2 156.4,13.1 153.5,13.1 153.4,13.2 153.4,13.7 151.75,15.35 JP4.1
Net-(JP5-A): length 7.7
  Top w0.25: J27.47 133,10.47 133,8.57 131.48,7.05 131.1,7.05 JP5.1
Net-(JP5-B): length 141.4
  Top w0.25: JP5.2 127.9,7.05 91.85,7.05 91.1,7.8 82.9,7.8 82,6.9 77.1,6.9 74.1,9.9 38.4,9.9 20.4,27.9 20.4,38.58 17.16,41.83 15.12,41.83 15.1,41.8 11.85,41.8 J20.R
Net-(JP6-A): length 17.3
  Top w0.25: 130.9,3.9 JP6.1 ; 130.9,3.9 130.45,3.9 ; 130.9,3.9 136.64,3.9 140.63,7.9 140.63,10.67 J27.51
Net-(JP6-B): length 127.5
  Top w0.25: J19.R 11.88,17.97 17.58,17.97 18.9,19.3 23.8,19.3 38.9,4.2 82.47,4.2 84.07,5.8 89.93,5.8 91.78,3.95 128.3,3.95 128.35,3.9 JP6.2
Net-(L2-Pad2): length 1.8
  Top w0.2: L2.2 73.53,87.35 74.18,86.71 R5.1
Net-(L3-Pad2): length 1.6
  Top w0.2: L3.2 73.01,88.61 R4.2
Net-(L4-Pad2): length 1.8
  Top w0.2: R3.1 63.47,89.02 L4.2
Net-(U1-A): length 1.7
  Top w0.2: R7.2 119.15,88.15 U1.1
Net-(U1-Y): length 2
  Top w0.2: R20.1 122.7,84.88 U1.4
Net-(U3-GPIO10): length 6.3
  Top w0.2: R21.1 92.5,76.67 92.5,80.53 91.6,81.43 U3.13
Net-(U3-RUN): length 14.1
  Top w0.2: U3.26 94.63,87.2 96.05,88.62 99.38,88.62 99.38,88.62 103.89,88.62 104.68,87.84 SW4.2
Net-(U3-USB_DM): length 4.4
  Top w0.2: 82.41,86.54 82.67,86.8 83.2,86.8 ; U3.46 83.2,86.8 ; 83.2,86.8 82.8,86.8 82.54,86.54
Net-(U3-USB_DP): length 4.5
  Top w0.2: 82.41,84.64 82.41,85.01 83.8,86.4 U3.47
Net-(U6-BST): length 1.8
  Top w0.2: 145.14,91.16 C30.2
  Top w0.6: U6.1 145.14,91.16
Net-(U6-COMP): length 4
  Top w0.2: 140.88,84.09 C34.1 ; 140.69,82.13 R14.1
  Top w0.6: C34.1 140.69,82.13 ; 140.88,86.04 140.88,84.09
Net-(U6-FB): length 5.4
  Top w0.2: 137.84,86.31 R15.1 ; 139.34,86.32 U6.5 ; 135.92,84.79 R12.2
  Top w0.6: 137.84,86.31 C29.2 135.92,84.79 ; R15.1 139.34,86.32
Net-(U6-SS): length 1.9
  Top w0.6: C35.1 139.2,91.58 U6.4
Net-(U9-HS_IND/CFG_SEL1): length 3.5
  Top w0.2: U9.25 35.22,82.07 35.22,80.77 33.68,79.23
Net-(U9-RBIAS): length 6.3
  Top w0.2: U9.35 38.17,86.54 39.25,85.46 41.17,85.46 41.18,85.47 R24.1
Net-(U9-SCL/SMBCLK/CFG_SEL0): length 4.8
  Top w0.2: U9.24 34.69,80.87 33.89,80.07 32.61,80.07 31.78,79.24
Net-(U9-SDA/SMBDATA/NON_REM1): length 6
  Top w0.2: U9.22 33.69,80.47 31.11,80.47 29.88,79.24
Net-(U9-SUSP_IND/LOCAL_PWR/NON_REM0): length 5.5
  Top w0.2: U9.28 37.13,82.68 v1(37.58,82.23) ; v1(40.7,82.23) 41,82.23 R27.1
  Bottom w0.2: v1(40.7,82.23) v1(37.58,82.23)
Net-(U9-XTALIN/CLKIN): length 12.9
  Top w0.2: U9.33 38.6,85.54 39.16,84.99 41.97,84.99 41.97,84.97 42.29,84.66 44.99,84.66 C11.1 47.8,83.69 Y1.1
Net-(U9-XTALOUT): length 13.4
  Top w0.2: Y1.2 47.68,82.19 C25.1 45.95,82.19 43.89,84.25 42.12,84.25 41.79,84.59 38.99,84.59 38.54,85.04 U9.32
Net-(U10-EN): length 43.2
  Top w0.2: U10.3 56.04,75.91 54.91,74.78 46.71,74.78 v1(44.13,77.36) ; v1(28.9,78.3) 27.21,79.99 27.21,83.31 27.47,83.57 27.47,85.49 28.02,86.04 U9.12
  Bottom w0.2: v1(28.9,78.3) 29.54,77.66 43.83,77.66 v1(44.13,77.36)
Net-(U10-ILIM): length 1.8
  Top w0.2: U10.5 55.09,81.87 R29.2

## Copper pours and planes (outline as drawn; the poured copper is in the pictures)
+5VP on Top: 71.5,57.5 74.5,57.5 74.5,50.85 71.5,50.85
/Audio/GND_in_L on Top, Bottom: 139.8,52.15 137.15,55 131.27,55 131.25,40 153,18 172,18 172,37.9 153.5,37.9
/Audio/GND_in_R on Top, Bottom: 137.15,55 131.27,55 131.2,59.3 134.7,62.9 151,63 155,59 172,59 172,37.9 153.5,37.9 139.8,52.15 138,53
/Audio/GND_out on Top, Bottom: 34,2 24,16 3,16 3,59 24,59 24,27 35,16 70,16 79,9 107,9 113,16 145,16 145,2
GND on Top: 34.5,57.5 34.5,34.5 41,34.5 41,57.5
GND on Top: 68,57.5 68,34.5 74.5,34.5 74.5,50.5 71.5,50.5 71.5,57.5
GND on Top: 166.5,109 135.75,108.75 134.22,107.45 133.9,77.08 152.15,77.33 152.1,98.7 166.5,98.7
GND on Top: 40.01,111 0,111 0.01,0.01 174.01,0.01 174.01,111.01 112,111.01 112,95 62,95 62,111.01
GND on Bottom: 0,111 0,0 174,0 174,111 112,111 112,95 62,95 62,111

## Text on the board
B.Silkscreen: OUT | IN | ${TITLE} / ${COMPANY} / PCB: ${REVISION} ${GIT_HASH} | GND | VREF | in | MIDI
F.Silkscreen: SWCLK GND SWD | RX TX GND | ${TITLE} / ${COMPANY} / PCB: ${REVISION} ${GIT_HASH} | bootsel | MIDI / IN | MIDI / OUT | reset | LED OUT | DATA / +5V / GND | OLED OUT | GND / +3V3 / SDA / SCL | VOL | GAIN | IN R | IN L | EXP 1 | OUT R | EXP 2 | OUT L | A | D | B | E | C | F
